# Altium PCB emg_version22ASCII.PcbDoc (continued)
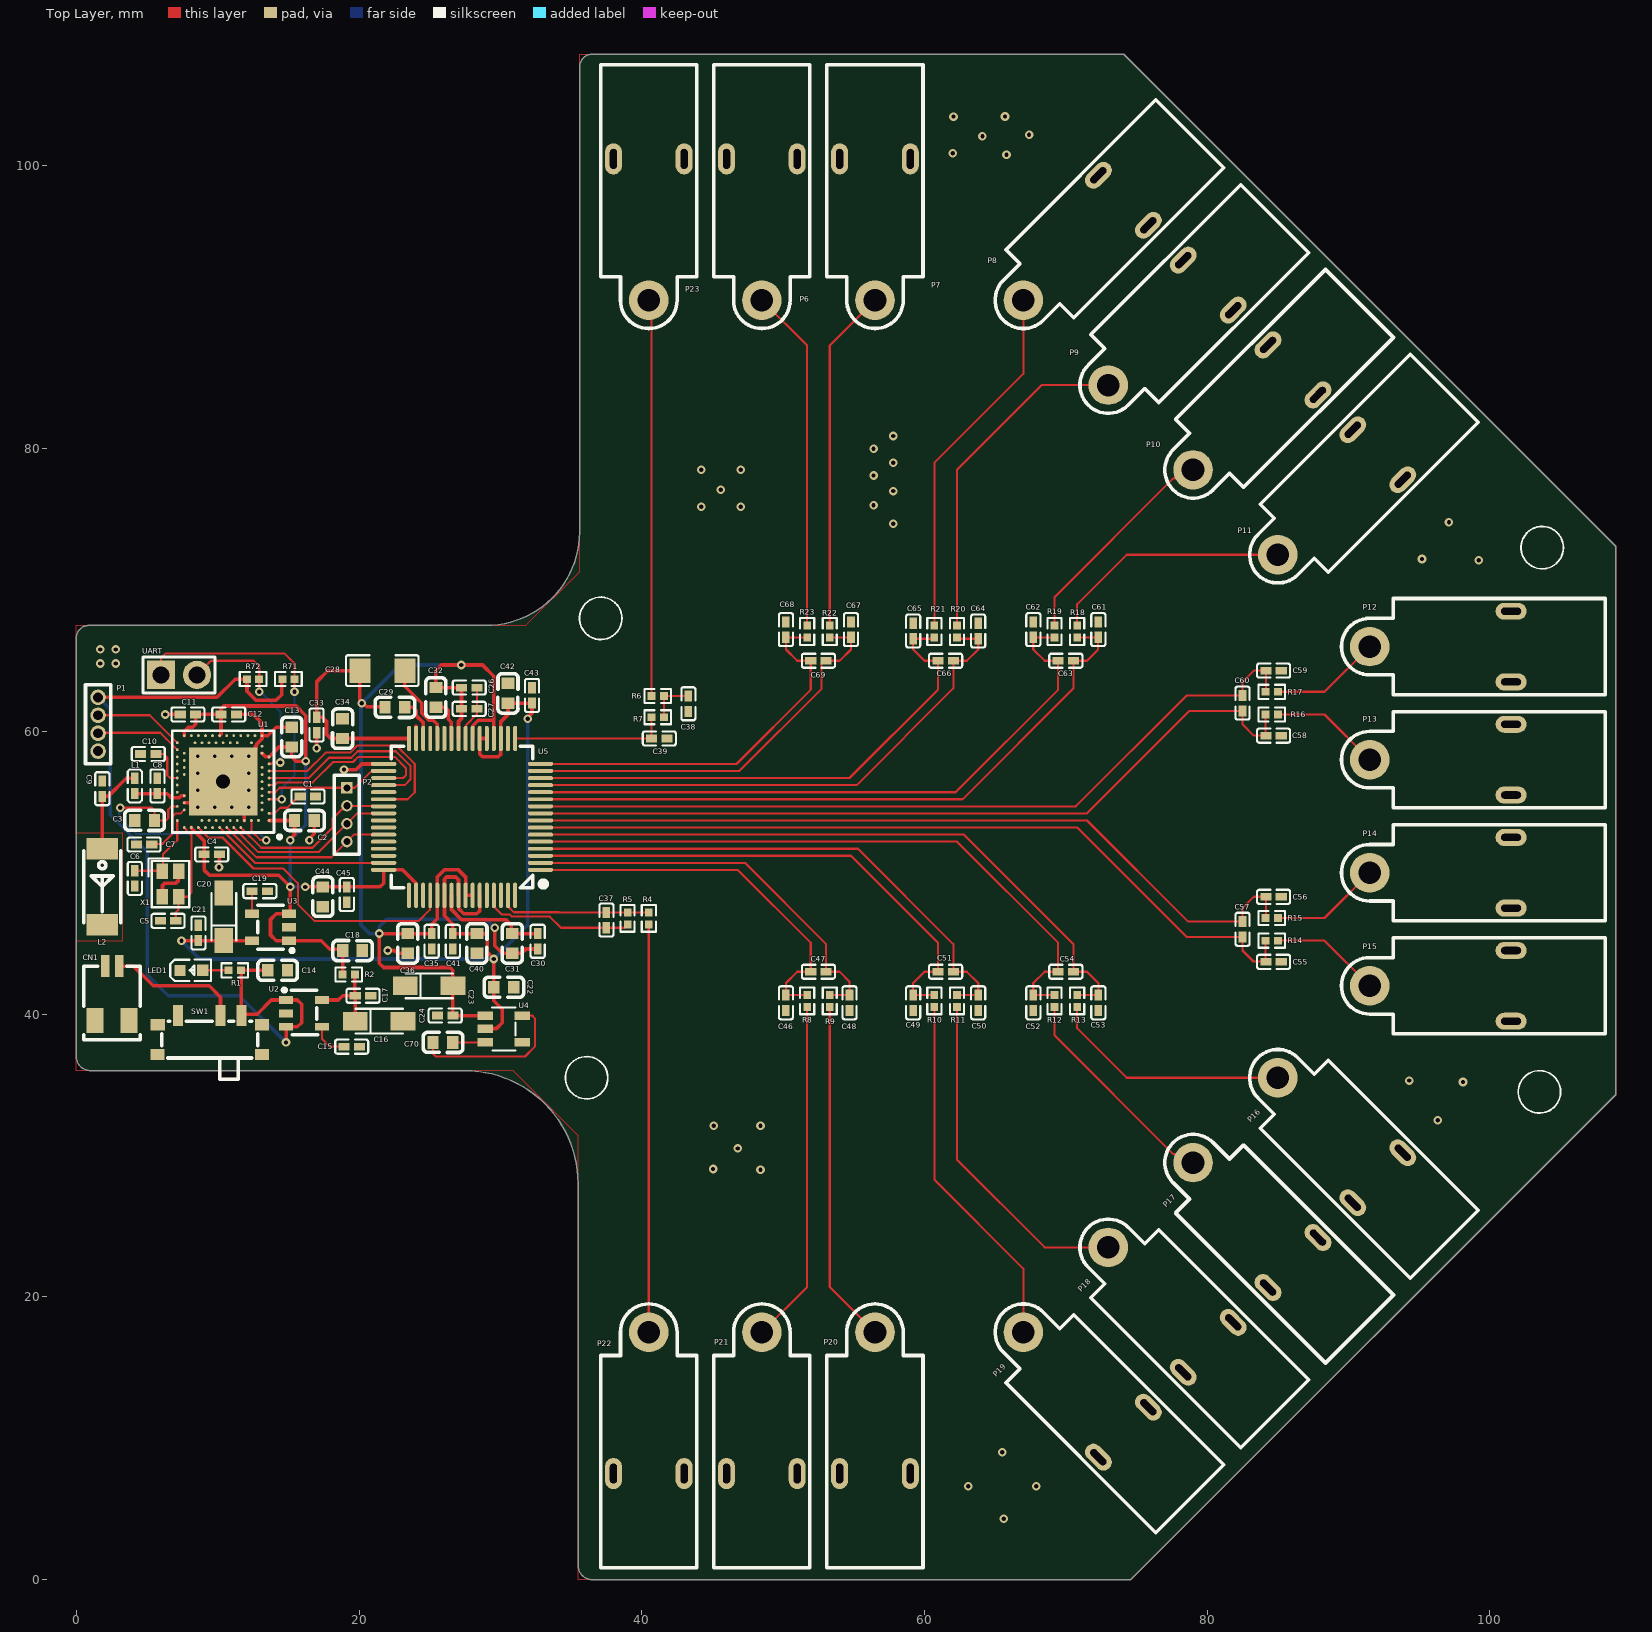
[diagram p0: Top Layer view]
## Components (designator, comment, footprint, x,y, rotation, side; value= is the part's Value field where it differs from the comment) (continued)
C65 "100nF" C0402_100NF 59.2,67.1 r90 top
C66 "100nF" C0402_100NF 61.5,65 r0 top
C67 "100nF" C0402_100NF 54.8,67.2 r90 top
C68 "100nF" C0402_100NF 50.2,67.2 r90 top
C69 "100nF" C0402_100NF 52.5,65 r0 top
C70 "1uF" C0603_1uF 25.94,38 r180 top
CN1 "A1002WR-S-2P" CONN-SMD_A1002WR-S-2P 2.539,41.476 r0 top
L1 "4.7nH" L0402_4.7nH 4.14,56.145 r90 top
L2 "AN2051-245" ANT2051 1.84,49.01 r270 top
LED1 "XL-1608UBC-04" LED0603-RD_BLUE 8.141,43.097 r0 top
P1 "Jlink Debug-pin4" "jlink pin-4 - duplicate - duplicate" -41.005,80.698 r270 top
P2 "SPI_4Pin" SPI_4pin 61.685,33.912 r90 top
P6 "EEG_WireSocket_DIN1.5" holter 43.5,102 r90 top
P7 "EEG_WireSocket_DIN1.5" holter 51.5,102 r90 top
P8 "EEG_WireSocket_DIN1.5" holter 71.596,102.167 r45 top
P9 "EEG_WireSocket_DIN1.5" holter 77.596,96.167 r45 top
P10 "EEG_WireSocket_DIN1.5" holter 83.596,90.167 r45 top
P11 "EEG_WireSocket_DIN1.5" holter 89.596,84.167 r45 top
P12 "EEG_WireSocket_DIN1.5" holter 103,71 r0 top
P13 "EEG_WireSocket_DIN1.5" holter 103,63 r0 top
P14 "EEG_WireSocket_DIN1.5" holter 103,55 r0 top
P15 "EEG_WireSocket_DIN1.5" holter 103,47 r0 top
P16 "EEG_WireSocket_DIN1.5" holter 96.667,30.904 r315 top
P17 "EEG_WireSocket_DIN1.5" holter 90.667,24.904 r315 top
P18 "EEG_WireSocket_DIN1.5" holter 84.667,18.904 r315 top
P19 "EEG_WireSocket_DIN1.5" holter 78.667,12.904 r315 top
P20 "EEG_WireSocket_DIN1.5" holter 61.5,6 r270 top
P21 "EEG_WireSocket_DIN1.5" holter 53.5,6 r270 top
P22 "EEG_WireSocket_DIN1.5" holter 45.5,6 r270 top
P23 "EEG_WireSocket_DIN1.5" holter 35.5,102 r90 top
R1 "1k" R0402_1K 11.207,43.1 r180 top
R2 "0" R0402_0 19.273,42.8 r0 top
R4 "100k" R0402_100k 40.5,46.767 r90 top
R5 "392k" R0402_392k 39,46.767 r270 top
R6 "2k" R0402_2k 41.133,62.5 r0 top
R7 "2k" R0402_2k 41.133,61 r180 top
R8 "2k" R0402_2k 51.7,40.933 r90 top
R9 "2k" R0402_2k 53.3,40.933 r90 top
R10 "2k" R0402_2k 60.7,40.933 r90 top
R11 "2k" R0402_2k 62.3,40.933 r90 top
R12 "2k" R0402_2k 69.2,40.933 r90 top
R13 "2k" R0402_2k 70.8,40.933 r90 top
R14 "2k" R0402_2k 84.567,45.2 r180 top
R15 "2k" R0402_2k 84.567,46.8 r180 top
R16 "2k" R0402_2k 84.567,61.2 r180 top
R17 "2k" R0402_2k 84.567,62.8 r180 top
R18 "2k" R0402_2k 70.8,67.067 r270 top
R19 "2k" R0402_2k 69.2,67.067 r270 top
R20 "2k" R0402_2k 62.3,67.067 r270 top
R21 "2k" R0402_2k 60.7,67.067 r270 top
R22 "2k" R0402_2k 53.3,67.067 r270 top
R23 "2k" R0402_2k 51.7,67.067 r270 top
R71 "1k" R0402_1K 15.007,63.7 r0 top
R72 "1k" R0402_1K 12.507,63.7 r0 top
SW1 "SWITCH" SW-SMD_MSS3-V-T-R 9.45,38.525 r0 top
U1 "NRF52840_QIAA WITH LOGO" "NRF52840_QIAA WITH LOGO" 10.559,56.319 r180 top
U2 "MIC5219-3.3YM5-TR" SOT-23-5_L3.0-W1.7-P0.95-LS2.8-TL 16.111,40.05 r0 top
U3 "MIC5205-2.5YM5-TR" +2.5_SOT-23-5_L3.0-W1.7-P0.95-LS2.8-BR 13.74,46.15 r0 top
U4 "TPS60400DBVT" -2.5_SOT-23-5_L2.9-W1.6-P0.95-LS2.8-TL 30.24,38.95 r0 top
U5 "ADS1299IPAG" TQFP-64_L10.0-W10.0-P0.50-LS12.0-TL 27.29,53.95 r180 top
UART "UART" uart 7.524,61.675 r0 top
X1 "X201632MKB4SI" CRYSTAL-SMD_4P-L2.0-W1.6-BL 6.665,49.2 r270 top

## Footprints (in the part's own frame and the unit in brackets; to place one, negate y for a bottom-side part, rotate by r counter-clockwise, add the part's x,y. Pads: shape width x height; smd on the part's side, far side on the other; paste and mask are expansions set on the pad)
+2.5_SOT-23-5_L3.0-W1.7-P0.95-LS2.8-BR [mm]
  rect 1x0.6 smd: 1(1.3,-0.95) 2(1.3,0) 3(1.3,0.95) 4(-1.3,0.95) 5(-1.3,-0.95)
  silkscreen extent -0.9,-1.78 1.65,1.55
-2.5_SOT-23-5_L2.9-W1.6-P0.95-LS2.8-TL [mm]
  rect 1.1x0.6 smd paste+0 mask+0: 1(-1.3,0.95) 2(-1.3,0) 3(-1.3,-0.95) 4(1.3,-0.95) 5(1.3,0.95)
  silkscreen extent -0.81,-1.51 0.82,1.51
ANT2051 [mm]
  rect 1.5x2.2 smd: 1(-2.69,0) 2(2.69,0)
  silkscreen extent -2.56,-1.3 2.55,1.3
C0402_0.5pF [mm]
  rect 0.79x0.54 smd paste-100 mask+0: 1(-0.545,0) 2(0.545,0)
  silkscreen extent -1.17,-0.5 1.17,0.5
C0402_0.8pF [mm]
  rect 0.79x0.54 smd paste-100 mask+0: 1(-0.545,0) 2(0.545,0)
  silkscreen extent -1.17,-0.5 1.17,0.5
C0402_10nF [mm]
  rect 0.79x0.54 smd paste-100 mask+0: 1(-0.545,0) 2(0.545,0)
  silkscreen extent -1.17,-0.5 1.17,0.5
C0402_10UF [mm]
  rect 0.79x0.54 smd paste-100 mask+0: 1(-0.545,0) 2(0.545,0)
  silkscreen extent -1.17,-0.5 1.17,0.5
C0402_12pF [mm]
  rect 0.79x0.54 smd paste-100 mask+0: 1(-0.545,0) 2(0.545,0)
  silkscreen extent -1.17,-0.5 1.17,0.5
C0402_100NF [mm]
  rect 0.79x0.54 smd paste-100 mask+0: 1(-0.545,0) 2(0.545,0)
  silkscreen extent -1.17,-0.5 1.17,0.5
C0402_100pF [mm]
  rect 0.79x0.54 smd paste-100 mask+0: 1(-0.545,0) 2(0.545,0)
  silkscreen extent -1.17,-0.5 1.17,0.5
C0402_470PF [mm]
  rect 0.79x0.54 smd paste-100 mask+0: 1(-0.545,0) 2(0.545,0)
  silkscreen extent -1.17,-0.5 1.17,0.5
C0402_820pF [mm]
  rect 0.79x0.54 smd paste-100 mask+0: 1(-0.545,0) 2(0.545,0)
  silkscreen extent -1.17,-0.5 1.17,0.5
C0603_1uF [mm]
  rect 0.8x0.9 smd: 1(-0.7,0) 2(0.7,0)
  silkscreen extent -1.41,-0.71 1.39,0.72
C0603_4.7uF [mm]
  rect 0.8x0.9 smd: 1(-0.7,0) 2(0.7,0)
  silkscreen extent -1.41,-0.71 1.39,0.72
C1206_100uF [mm]
  rect 1.485x1.728 smd paste-100 mask+0: 1(-1.593,0) 2(1.593,0)
  silkscreen extent -2.56,-1.09 2.56,1.09
CONN-SMD_A1002WR-S-2P [mm]
  rect 0.6x1.55 smd: 1(-0.498,1.924) 2(0.501,1.924)
  rect 1.2x1.8 smd: 3(1.201,-1.924) 4(-1.201,-1.924)
  silkscreen extent -2,-3.27 2,1.92
CRYSTAL-SMD_4P-L2.0-W1.6-BL [mm]
  rect 1.1x0.8 smd: 1(-0.9,-0.575) 2(0.9,-0.575) 3(0.9,0.575) 4(-0.9,0.575)
  silkscreen extent -1.82,-1.56 1.64,1.33
holter [mm]
  round 2.8 hole 1.6: 1(-11.5,-5)
  oval 2.2x1.2 hole 0.5 slot 1.4 at 0 deg paste+0: 2(-1.5,-2.5) 3(-1.5,-7.5)
  silkscreen extent -13.5,-8.4 5.15,-1.6
"jlink pin-4 - duplicate - duplicate" [mm]
  round 1.1 hole 0.7 mask+0: GND(22.098,42.545) SWDCLK(20.828,42.545) SWDIO(19.558,42.545) VCC(18.288,42.545)
  silkscreen extent 17.4,41.66 22.99,43.43
L0402_4.7nH [mm]
  rect 0.79x0.54 smd paste-100 mask+0: 1(-0.545,0) 2(0.545,0)
  silkscreen extent -1.17,-0.5 1.17,0.5
LED0603-RD_BLUE [mm]
  rect 0.8x0.8 smd: 1(-0.8,-0.004) 2(0.799,0.003)
  silkscreen extent -1.49,-0.75 1.39,0.76
"NRF52840_QIAA WITH LOGO" [mm]
  rect 4.83x4.83 smd paste+0.102 mask+0: 74(0.169,-0.131)
  round 0.2 smd paste+0 mask+0: A8(-1.081,3.119) A10(-0.581,3.119) A12(-0.081,3.119) A14(0.419,3.119) A16(0.919,3.119) A18(1.419,3.119) A20(1.919,3.119) A22(2.419,3.119) A23(2.919,3.119) AA24(3.419,-2.381) AB2(-2.581,-2.631) AC5(-1.831,-2.881) AC9(-0.831,-2.881) AC11(-0.331,-2.881) AC13(0.169,-2.881) AC15(0.669,-2.881) AC17(1.169,-2.881) AC19(1.669,-2.881) AC21(2.169,-2.881) AC24(3.419,-2.881) AD2(-2.581,-3.381) AD4(-2.081,-3.381) AD6(-1.581,-3.381) AD8(-1.081,-3.381) AD10(-0.581,-3.381) AD12(-0.081,-3.381) AD14(0.419,-3.381) AD16(0.919,-3.381) AD18(1.419,-3.381) AD20(1.919,-3.381) AD22(2.419,-3.381) AD23(2.919,-3.381) B1(-3.081,2.619) B3(-2.331,2.619) B5(-1.831,2.619) B7(-1.331,2.619) B9(-0.831,2.619) B11(-0.331,2.619) B13(0.169,2.619) B15(0.669,2.619) B17(1.169,2.619) B19(1.669,2.619) B24(3.419,2.619) C1(-3.081,2.119) D2(-2.581,1.869) D23(2.919,1.869) E24(3.419,1.619) F2(-2.581,1.369) F23(2.919,1.369) G1(-3.081,1.119) H2(-2.581,0.869) H23(2.919,0.869) J1(-3.081,0.619) J24(3.419,0.619) K2(-2.581,0.369) L1(-3.081,0.119) L24(3.419,0.119) M2(-2.581,-0.131) N1(-3.081,-0.381) N24(3.419,-0.381) P2(-2.581,-0.631) P23(2.919,-0.631) R1(-3.081,-0.881) R24(3.419,-0.881) T2(-2.581,-1.131) T23(2.919,-1.131) U1(-3.081,-1.381) U24(3.419,-1.381) V23(2.919,-1.631) W1(-3.081,-1.881) W24(3.419,-1.881) Y2(-2.581,-2.131) Y23(2.919,-2.131)
  silkscreen extent -3.94,-3.73 3.77,3.91
R0402_0 [mm]
  rect 0.566x0.54 smd paste-100 mask+0: 1(-0.433,0) 2(0.433,0)
  silkscreen extent -0.94,-0.5 0.94,0.5
R0402_1K [mm]
  rect 0.566x0.54 smd paste-100 mask+0: 1(-0.433,0) 2(0.433,0)
  silkscreen extent -0.94,-0.5 0.94,0.5
R0402_2k [mm]
  rect 0.566x0.54 smd paste-100 mask+0: 1(-0.433,0) 2(0.433,0)
  silkscreen extent -0.94,-0.5 0.94,0.5
R0402_100k [mm]
  rect 0.566x0.54 smd paste-100 mask+0: 1(-0.433,0) 2(0.433,0)
  silkscreen extent -0.94,-0.5 0.94,0.5
R0402_392k [mm]
  rect 0.566x0.54 smd paste-100 mask+0: 1(-0.433,0) 2(0.433,0)
  silkscreen extent -0.94,-0.5 0.94,0.5
SOT-23-5_L3.0-W1.7-P0.95-LS2.8-TL [mm]
  rect 1x0.55 smd: 1(-1.271,0.95) 2(-1.271,0) 3(-1.271,-0.95) 4(1.271,-0.95) 5(1.271,0.95)
  silkscreen extent -1.52,-1.52 0.97,1.78
SPI_4pin [mm]
  round 0.8 hole 0.5 mask+0: CS(20.828,42.545) MISO(18.288,42.545) SCLK(19.558,42.545)
  rect 0.8x0.8 hole 0.5 mask+0: MOSI(22.098,42.545)
  silkscreen extent 17.4,41.66 22.99,43.43
SW-SMD_MSS3-V-T-R [mm]
  rect 0.7x1.5 smd: 1(-2.25,1.375) 2(0.75,1.375) 3(2.25,1.375)
  rect 1x0.8 smd: EH(-3.7,-1.375) EH(-3.683,0.725) EH(3.683,0.725) EH(3.7,-1.375)
  silkscreen extent -3.4,-3.12 3.4,0.98
tC10uF/16V [mm] "CAP-SMD_L3.2-W1.6-RD-C7171"
  rect 1.758x1.296 smd: 1(-1.686,0) 2(1.686,0)
  silkscreen extent -1.68,-0.88 1.68,0.88
TQFP-64_L10.0-W10.0-P0.50-LS12.0-TL [mm]
  oval 1.8x0.28 smd paste-100 mask+0: 1(-5.55,3.75) 2(-5.55,3.25) 3(-5.55,2.75) 4(-5.55,2.25) 5(-5.55,1.75) 6(-5.55,1.25) 7(-5.55,0.75) 8(-5.55,0.25) 9(-5.55,-0.25) 10(-5.55,-0.75) 11(-5.55,-1.25) 12(-5.55,-1.75) 13(-5.55,-2.25) 14(-5.55,-2.75) 15(-5.55,-3.25) 16(-5.55,-3.75) 33(5.55,-3.75) 34(5.55,-3.25) 35(5.55,-2.75) 36(5.55,-2.25) 37(5.55,-1.75) 38(5.55,-1.25) 39(5.55,-0.75) 40(5.55,-0.25) 41(5.55,0.25) 42(5.55,0.75) 43(5.55,1.25) 44(5.55,1.75) 45(5.55,2.25) 46(5.55,2.75) 47(5.55,3.25) 48(5.55,3.75)
  oval 0.28x1.8 smd paste-100 mask+0: 17(-3.75,-5.55) 18(-3.25,-5.55) 19(-2.75,-5.55) 20(-2.25,-5.55) 21(-1.75,-5.55) 22(-1.25,-5.55) 23(-0.75,-5.55) 24(-0.25,-5.55) 25(0.25,-5.55) 26(0.75,-5.55) 27(1.25,-5.55) 28(1.75,-5.55) 29(2.25,-5.55) 30(2.75,-5.55) 31(3.25,-5.55) 32(3.75,-5.55) 49(3.75,5.55) 50(3.25,5.55) 51(2.75,5.55) 52(2.25,5.55) 53(1.75,5.55) 54(1.25,5.55) 55(0.75,5.55) 56(0.25,5.55) 57(-0.25,5.55) 58(-0.75,5.55) 59(-1.25,5.55) 60(-1.75,5.55) 61(-2.25,5.55) 62(-2.75,5.55) 63(-3.25,5.55) 64(-3.75,5.55)
  silkscreen extent -5.95,-5 5,5
uart [mm]
  rect 2x2 hole 1.2: RXD(-1.524,2.325)
  round 2 hole 1.2: TXD(1.016,2.325)
  silkscreen extent -2.79,1.05 2.29,3.59
? [mm]
  rect 0.79x0.54 smd paste-100 mask+0: 1(-0.545,0) "  "(0.545,0)
  silkscreen extent -1.17,-0.5 1.17,0.5

## Part data
C1 C4 C11 C12 C17 C21 C24 C26 C30 C33 C35 C38 C39 C41 C43 C45 C46 C47 C48 C49 C50 C51 C52 C53 C54 C55 C56 C57 C58 C59 C60 C61 C62 C63 C64 C65 C66 C67 C68 C69: library part C0402_100nF, "CL05B104KO5NNNC"
C2: library part CL05A105KA5NQNC
C3: library part C0603_1uF, "0603B105K250NT"
C5 C6: library part C0402_12pF, "CC0402GRNPO9BN120"
C7: library part C0402_100pF, "CC0402JRNPO9BN101"
C8: library part C0402_0.8p, "RF15N0R8A500"
C9: library part C0402_0.5pF, "0402N0R5A500CT"
C10: library part C0402_820pF, "0402N821J500CT"
C13: library part C0402_4.7uF
C14 C18 C22 C29 C31 C32 C34 C36 C40 C42 C44 C70: library part C0402_1uF
C15 C19: library part C0402_470pF, "CC0402JRNPO7BN471"
C16 C20 C23: library part tC16uF/16V, "TAJA106K016RNJ"
C27: library part C0402_10uF, "CL05A106MP5NUNC"
C28: library part C1206_100uF, "GRM31CR60J107KE39L"
C37: library part C0402_10nF, "CC0402KRX7R5BB103"
L1: library part L0402_4.7nH, "FHW0402UC4N7JST"
LED1: library part LED
P1: library part Jlink-pin4
P6 P7 P8 P9 P10 P11 P12 P13 P14 P15 P16 P17 P18 P19 P20 P21 P22 P23: library part Holter_EEG_WireSocket_DIN1.5
R1 R71 R72: library part R0402_1k, "TC0225F1001TCE"
R2: library part R0402_0, "0402WGF0000TCE"
R4: library part R0402_100k, "RC0402FR-07100KL"
R5: library part R0402_392k, "RTT023923FTH"
R6 R7 R8 R9 R10 R11 R12 R13 R14 R15 R16 R17 R18 R19 R20 R21 R22 R23: library part R0402_2k, "0402WGF2001TCE"
SW1: library part MSS3-V-T/R, "MSS3-V-T/R"
U5: "Integrated Circuit"
UART: library part uart

## Via types
v1: diameter 0.61, hole 0.305, Top Layer to Bottom Layer, tented both sides, 61 vias
v2: diameter 0.5, hole 0.25, Top Layer to Bottom Layer, tented both sides, 12 vias
v3: diameter 2, hole 1, Top Layer to Bottom Layer, tented both sides, 1 vias

## Nets (pads, with @x,y where several pads share a name; then routed paths per layer and width w, separated by ;. In a path a pad name is that pad's centre, name@x,y a point inside that pad or via, vN(x,y) a via of type N, cw(c..) or ccw(c..) an arc to the next point about the centre after c; other vN are vias at no path point)
1N1N: C67.1 C69.2 R22.2 U5.15 | length 28.9
  Top Layer w0.152: U5.15 46.9,57.2 52.726,63.026 52.726,64.806 52.92,65 C69.2 54,65 54.8,65.8 C67.1 54.779,66.634 R22.2
1N1P: C68.1 C69.1 R23.2 U5.16 | length 27.8
  Top Layer w0.152: U5.16 46.7,57.7 51.955,62.955 C69.1 51.83,65 51,65 50.2,65.8 C68.1 50.221,66.634 R23.2
1N2N: C64.1 C66.2 R20.2 U5.13 | length 38.3
  Top Layer w0.152: U5.13 55.2,56.2 62.045,63.045 C66.2 63,65 63.8,65.8 C64.1 62.312,66.555 R20.2@62.3,66.567
1N2P: C65.1 C66.1 R21.2 U5.14 | length 37.1
  Top Layer w0.152: U5.14 54.7,56.7 60.955,62.955 C66.1 60.83,65 60,65 59.2,65.8 C65.1 60.688,66.555 R21.2@60.7,66.567
1N3N: C61.1 C63.2 R18.2 U5.11 | length 47.3
  Top Layer w0.152: U5.11 62.7,55.2 70.545,63.045 C63.2 71.5,65 72.279,65.779 72.279,66.634 R18.2
1N3P: C62.1 C63.1 R19.2 U5.12 | length 46.1
  Top Layer w0.152: U5.12 62.2,55.7 69.455,62.955 C63.1 69.33,65 68.5,65 67.7,65.8 C62.1 67.721,66.634 R19.2
1N4N: C58.1 C60.2 R16.2 U5.9 | length 57.1
  Top Layer w0.152: U5.9 71.5,54.2 78.755,61.455 C60.2 82.5,60.5 83.3,59.7 C58.1 84.134,59.721 R16.2
1N4P: C59.1 C60.1 R17.2 U5.10 | length 57.4
  Top Layer w0.152: U5.10 70.7,54.7 78.545,62.545 C60.1 82.5,63.5 83.3,64.3 C59.1 84.155,62.821 R17.2
1N5N: C55.1 C57.2 R14.2 U5.7 | length 57.3
  Top Layer w0.152: U5.7 70.8,53.2 78.545,45.455 C57.2 82.5,44.5 83.279,43.721 84.134,43.721 R14.2
1N5P: C56.1 C57.1 R15.2 U5.8 | length 57.1
  Top Layer w0.152: U5.8 71.5,53.7 78.655,46.545 C57.1 82.5,47.5 83.3,48.3 C56.1 84.155,46.821 R15.2
1N6N: C52.1 C54.2 R12.2 U5.5 | length 46.1
  Top Layer w0.152: U5.5 62.3,52.2 69.455,45.045 C54.2 68.5,43 67.7,42.2 C52.1 67.721,41.366 R12.2
1N6P: C53.1 C54.1 R13.2 U5.6 | length 47.3
  Top Layer w0.152: U5.6 62.8,52.7 70.545,44.955 C54.1 71.5,43 72.3,42.2 C53.1 72.279,41.366 R13.2
1N7N: C49.1 C51.2 R10.2 U5.3 | length 37.2
  Top Layer w0.152: U5.3 54.8,51.2 60.955,45.045 C51.2 60,43 59.2,42.2 C49.1 60.679,41.345 R10.2
1N7P: C50.1 C51.1 R11.2 U5.4 | length 38.4
  Top Layer w0.152: U5.4 55.3,51.7 62.045,44.955 C51.1 63,43 63.8,42.2 C50.1 62.321,41.345 R11.2
1N8N: C46.1 C47.2 R8.2 U5.1 | length 27.7
  Top Layer w0.152: U5.1 46.8,50.2 51.955,45.045 C47.2 51,43 50.2,42.2 C46.1 51.679,41.345 R8.2
1N8P: C47.1 C48.1 R9.2 U5.2 | length 28.8
  Top Layer w0.152: U5.2 47.3,50.7 53.045,44.955 C47.1 54,43 54.7,42.3 C48.1 54.679,41.366 R9.2
2.5V_AVDD: C20.1 C21.2 C22.2 C40.1 C41.1 C42.1 C43.1 U3.5 U4.2 U5.19 U5.21 U5.22 U5.54 U5.56 U5.59 | length 76.2
  Top Layer w0.254: v1(7.44,45.2) C20.1 U3.5 ; U5.59 28.535,48.395 28.535,47.295 28.34,47.1 27.415,47.1 27.045,47.47 27.045,48.395 U5.56 27.04,49.5 26.84,49.7 26.194,49.7 26.045,49.551 26.045,48.405 U5.54 26.045,48.395 26.045,46.955 26.64,46.36 C41.1 C40.1 28.9,45.7 29.069,45.531 29.069,44.399 29.54,43.929 v1(29.54,43.9) C22.2 29.54,40.938 30.14,40.338 30.14,39.4 29.722,38.982 28.972,38.982 U4.2 ; U5.21 U5.22 28.545,59.495 28.545,58.395 28.74,58.2 29.84,58.2 30.04,58.4 U5.19 30.04,60.7 30.54,61.2 C42.1 C43.1 32.24,61.296 31.94,60.996 v1(31.94,60.9)
  Bottom Layer w0.254: v1(7.44,45.2) 8.74,43.9 v1(29.54,43.9) 31.94,46.3 v1(31.94,60.9)
3.3V_A: C16.1 C17.2 R2.2 U2.5 | length 5.8
  Top Layer w0.254: U2.5 18.54,41 18.84,41.3 C17.2 ; R2.2 19.706,41.334 C17.2 ; C16.1 C17.2
3.3V_D: "C4.  " C2.2 C11.2 C12.2 C13.2 C18.2 C44.1 C45.1 R2.1 U1.A22 U1.AD14 U1.AD23 U1.B1 U1.W1 U1.Y2 U3.1 U3.3 U5.48 U5.50 | length 65.3
  Top Layer w0.254: U1.AD23 7.64,60 7.94,60.3 8.24,60.3 8.44,60.5 C11.2 C12.2 ; U1.A22 8.14,53.163 9.04,52.264 9.04,51.3 9.04,50.2 9.424,49.816 14.324,49.816 v1(15.14,49) 15.14,47.2 U3.3 14.14,47.1 13.74,46.7 13.74,45.6 14.14,45.2 U3.1 17.34,45.2 17.94,44.6 18.74,44.6 C18.2 R2.1 ; U1.AD14 10.24,59.8 C12.2 ; U1.Y2 13.39,58.2 U1.W1 14.34,58.9 C13.2 15.24,58.2 15.54,57.9 v1(16.24,57.9) 16.24,61.1 15.54,61.8 10.44,61.8 10.24,61.6 C12.2 ; U1.B1 C2.2 15.44,52.696 15.14,52.396 v1(15.14,52.3) ; v1(16.207,49) C44.1 C45.1 21.481,49 21.74,49.26 21.74,50.188 21.728,50.2 U5.48 23.093,50.2 24.035,49.258 24.035,48.405 U5.50
  Bottom Layer w0.254: v1(16.207,49) v1(15.14,49) v1(15.14,52.3) 16.24,53.4 v1(16.24,57.9)
-2.5V_AVSS: C23.2 C24.2 C26.2 C27.2 C28.2 C29.2 C30.2 C31.2 C32.2 C33.1 C34.1 C35.1 C36.1 U4.1 U5.20 U5.23 U5.25 U5.32 U5.53 U5.57 U5.58 | length 100.3
  Top Layer w0.254: C29.2 21.8,61.74 20.556,61.74 20.296,62 v1(20.2,62) 20.2,62.096 20.055,62.241 C28.2 17.8,64.3 17,63.5 C33.1 17.4,61 17.7,60.7 17.7,59.8 18,59.5 C34.1 U5.32 U5.32@23.545,59.495 ; U5.25 27.04,60.7 27.25,60.91 C27.2 C26.2 C32.2 25.44,64.3 25.84,64.7 v1(27.24,64.7) 28.74,64.7 29.54,63.9 29.54,60.8 ; U5.58 U5.57 27.54,49.7 27.04,50.2 26.04,50.2 25.54,49.7 U5.53 25.54,46.74 25.14,46.34 C35.1 C36.1 v1(21.44,45.7) 21.44,43.6 21.74,43.3 26.44,43.3 26.64,43.1 C24.2 U4.1 ; U5.23 28.045,59.505 28.045,60.405 28.44,60.8 29.54,60.8 ; U5.20 29.54,60.8 ; v1(29.6,46.1) 29.6,44.84 30.14,44.3 C31.2 31.5,44.3 31.81,44.61 C30.2
  Bottom Layer w0.254: v1(27.24,64.7) 22.9,64.7 20.14,61.94 20.14,46.3 20.74,45.7 v1(21.44,45.7) 21.44,46.2 21.94,46.7 29,46.7 v1(29.6,46.1)
BIAS: P22.1 R4.1 | length 28.9
  Top Layer w0.152: P22.1 R4.1 R4.1@40.534,46.3
BIASINV: C37.2 R5.2 U5.61 | length 11
  Top Layer w0.152: U5.61 29.54,47.619 30.119,47.04 30.688,47.04 30.828,46.9 33.5,46.9 34.29,46.11 C37.2 38.788,46.11 39,46.322 R5.2
BIASOUT: C37.1 R4.2 R5.1 U5.63 | length 10.9
  Top Layer w0.152: U5.63 30.54,47.619 30.954,47.205 34.128,47.205 34.133,47.2 R5.1 R4.2
CLKSEL: U1.A20 U5.52 | length 21.3
  Top Layer w0.152: U1.A20 9.34,52.5 10.34,52.5 12.54,50.3 14.64,50.3 15.673,49.267 15.673,47.767 16.84,46.6 24.243,46.6 25.016,47.373 25.016,48.376 U5.52
CS: P2.CS U1.A8 U5.39 | length 12.3
  Top Layer w0.152: U1.A8 13.074,51.767 16.707,51.767 18.14,53.2 18.14,53.84 19.04,54.74 P2.CS 19.16,54.72 21.72,54.72 U5.39
DEC1: C1.2 U1.C1 | length 2.7
  Top Layer w0.152: U1.C1 14.04,54.2 14.44,54.6 14.915,54.6 15.715,55.4 C1.2
DEC3: C7.1 U1.D23 | length 4
  Top Layer w0.152: C7.1 5.377,52.037 6.077,52.037 6.812,52.772 6.812,53.982 7.029,54.2 7.39,54.2 U1.D23
DEC4_6: C3.2 U1.B5 U1.E24 | length 19.4
  Top Layer w0.152: v1(3.1,54.6) 5.34,54.6 5.54,54.4 C3.2 6.34,53.7 6.507,53.867 6.507,54.467 6.64,54.6 6.64,54.611 6.729,54.7 U1.E24 ; U1.B5 12.39,52.95 13.015,52.325 13.415,52.325 v1(13.44,52.3)
  Bottom Layer w0.152: v1(3.1,54.6) 3.04,54.54 3.04,53.963 4.259,52.744 12.996,52.744 v1(13.44,52.3)
DRDY: U1.A14 U5.47 | length 12.6
  Top Layer w0.152: U1.A14 12.64,50.7 U5.47
EMG1N: P7.1 R22.1 | length 24.3
  Top Layer w0.152: R22.1 53.3,87.3 P7.1
EMG1P: P6.1 R23.1 | length 24.3
  Top Layer w0.152: P6.1 51.7,87.3 R23.1
EMG2N: P9.1 R20.1 | length 24.2
  Top Layer w0.152: R20.1 62.3,78.5 68.3,84.5 P9.1
EMG2P: P8.1 R21.1 | length 25.6
  Top Layer w0.152: R21.1 60.7,79 67,85.3 P8.1
EMG3N: P11.1 R18.1 | length 17.1
  Top Layer w0.152: R18.1 70.8,69 74.3,72.5 P11.1
EMG3P: P10.1 R19.1 | length 15.5
  Top Layer w0.152: R19.1 69.2,69.5 77.601,77.901 77.684,77.901 78.284,78.5 P10.1
EMG4N: P13.1 R16.1 | length 7.8
  Top Layer w0.152: R16.1 88.3,61.2 P13.1
EMG4P: P12.1 R17.1 | length 7.8
  Top Layer w0.152: R17.1 88.3,62.8 P12.1
EMG5N: P15.1 R14.1 | length 7.8
  Top Layer w0.152: R14.1 88.3,45.2 P15.1
EMG5P: P14.1 R15.1 | length 7.8
  Top Layer w0.152: R15.1 88.3,46.8 P14.1
EMG6N: P17.1 R12.1 | length 15.5
  Top Layer w0.152: R12.1 69.2,38.5 77.601,30.099 77.684,30.099 78.284,29.5 P17.1
EMG6P: P16.1 R13.1 | length 17.1
  Top Layer w0.152: R13.1 70.8,39 74.3,35.5 P16.1
EMG7N: P19.1 R10.1 | length 25.6
  Top Layer w0.152: R10.1 60.7,28.3 67,22 P19.1
EMG7P: P18.1 R11.1 | length 24.1
  Top Layer w0.152: R11.1 62.3,29.7 68.5,23.5 P18.1
EMG8N: P21.1 R8.1 | length 24.3
  Top Layer w0.152: P21.1 51.7,20.7 R8.1
EMG8P: P20.1 R9.1 | length 24.3
  Top Layer w0.152: R9.1 53.3,20.7 P20.1
GND: C1.1 C2.1 C3.1 C4.1 C5.2 C6.2 C7.2 C8.2 C9.2 C10.1 C11.1 C12.1 C13.1 C14.1 C15.1 C16.2 C17.1 C18.1 C19.1 C20.2 C21.1 C22.1 C23.1 C24.1 C33.2 C34.2 C35.2 C36.2 C38.1 C39.1 C40.2 C41.2 C42.2 C43.2 C44.2 C45.2 C46.2 C48.2 C49.2 C50.2 C52.2 C53.2 C55.2 C56.2 C58.2 C59.2 C61.2 C62.2 C64.2 C65.2 C67.2 C68.2 CN1.1 LED1.1 P1.GND P6.2 P6.3 P7.2 P7.3 P8.2 P8.3 P9.2 P9.3 P10.2 P10.3 P11.2 P11.3 P12.2 P12.3 P13.2 P13.3 P14.2 P14.3 P15.2 P15.3 P16.2 P16.3 P17.2 P17.3 P18.2 P18.3 P19.2 P19.3 P20.2 P20.3 P21.2 P21.3 P22.2 P22.3 P23.2 P23.3 U1.74 U1.AD2 U1.B7 U1.F23 U2.2 U3.2 U4.4 U5.31 U5.33 U5.49 U5.51 U5.64 X1.2 X1.4 | length 23.6
  Top Layer w0.254: C6.2 C6.2@4.2,48.995 ; C10.1@4.54,58.39 C10.1 ; C10.1@4.64,58.39 C10.1@4.65,58.4 ; C5.2@5.94,46.61 C5.2 ; X1.2 6.1,48.31 6.1,49.1 6.27,49.27 7.051,49.27 7.2,49.419 7.2,50.06 X1.4 ; v1(6.3,61.2) C11.1 ; U1.F23 8.102,54.95 8.59,55.438 v2(8.59,55.85) ; v1(10.1,50.4) 10.1,51.27 C4.1 ; C20.2 C20.2@10.44,48.803 ; C12.1 12.54,61.2 13.14,60.6 U1.AD2 ; U1.B7 11.89,54.35 v2(12.19,54.65) ; v2(12.19,58.25) 12.678,58.738 12.678,58.952 12.761,59.034 12.761,59.107 13.14,59.487 U1.AD2 ; C19.1@13.43,48.6 C19.1@13.44,48.61 ; C13.1 14.14,60.3 13.54,59.7 U1.AD2 ; v1(16.493,52.307) 16.493,52.403 16.84,52.751 C2.1 ; v1(17,58.8) C33.2 ; v1@19.008,57.368 v1(18.94,57.3) 19.805,57.3 20.2,57.695 21.735,57.695 U5.33 ; C45.2@19.05,48 C45.2 ; C17.1@20.83,41.2 C17.1@20.84,41.21 ; v1(22.024,44.5) 22.5,44.5 22.7,44.3 C36.2 ; C16.2 C16.2@23.14,39.527 ; U5.31@24.035,60.358 24.035,59.505 U5.31 ; U5.51@24.535,48.395 U5.51
  Bottom Layer w0.254: v3@9.918,56.45 v3(10.39,56.45)
  other v1: 65.6,4.3 63.1,6.6 67.9,6.6 65.5,9 48.4,29 45.046,29.041 46.8,30.5 45.1,32.1 48.4,32.1 96.3,32.5 98.1,35.2 94.3,35.3 1.7,64.8 2.8,64.8 1.7,65.8 2.8,65.8 99.2,72.1 95.2,72.2 57.8,74.7 97.1,74.8 44.2,75.9 47,75.9 56.4,76 57.8,77 45.6,77.1 56.4,78.1 44.2,78.5 47,78.5 57.8,79 56.4,80 57.8,80.9 65.8,100.8 62,100.9 64.1,102.1 67.4,102.2 62.058,103.493 65.7,103.5
  other v2: 8.59,54.65 9.79,54.65 10.99,54.65 12.19,55.85 8.59,57.05 12.19,57.05 8.59,58.25 9.79,58.25 10.99,58.25
MISO: P2.MISO U1.A12 U5.43 | length 12.6
  Top Layer w0.152: U1.A12 12.74,51.1 18.04,51.1 P2.MISO 19.64,52.7 U5.43
MOSI: P2.MOSI U1.J1 U5.34 | length 8.7
  Top Layer w0.152: U1.J1 14.086,55.7 14.396,56.01 19.71,56.01 20.876,57.176 21.716,57.176 U5.34
NetC8_1: C8.1 L1.1 U1.H23 | length 3.7
  Top Layer w0.254: L1.1 C8.1 6.44,55.6 6.514,55.526 6.573,55.467 6.573,55.455 6.707,55.321 7.297,55.321 7.427,55.45 U1.H23
NetC10_2: C10.2 U1.N24 | length 2.9
  Top Layer w0.152: C10.2 6.19,58.4 6.44,58.15 6.44,56.9 6.64,56.7 U1.N24
NetC15_2: C15.2 U2.4 | length 2.6
  Top Layer w0.152: U2.4 17.383,38.257 17.94,37.7 C15.2
NetC19_2: C19.2 U3.4 | length 1.6
  Top Layer w0.152: U3.4 C19.2
NetC26_1: C26.1 C27.1 U5.24 | length 3.9
  Top Layer w0.152: U5.24 27.564,59.524 27.564,60.427 28.34,61.203 C27.1 C26.1
NetC38_2: C38.2 R6.2 R7.1 | length 3.2
  Top Layer w0.152: R7.1 R6.2 C38.2
NetC70_1: C70.1 U4.3 | length 2.3
  Top Layer w0.152: C70.1 U4.3
NetC70_2: C70.2 U4.5 | length 11.4
  Top Layer w0.152: C70.2 25.24,37.2 25.44,37 31.74,37 32.44,37.7 32.44,39.7 32.24,39.9 U4.5 ; C70.2@25.24,38.35 C70.2@25.24,38.4
NetCN1_2: CN1.2 SW1.2 | length 9.4
  Top Layer w0.254: CN1.2 4.04,43.4 5.44,42 9.4,42 10.2,41.2 SW1.2
NetLED1_2: LED1.2 R1.2 | length 1.8
  Top Layer w0.152: LED1.2 R1.2
PWDN: U1.L1 U5.35 | length 13
  Top Layer w0.152: U1.L1 14.04,56.2 14.235,56.395 16.735,56.395 18.173,57.833 19.573,57.833 19.94,58.2 22.521,58.2 23.33,57.391 23.33,56.891 23.14,56.7 U5.35
REF: P23.1 R6.1 | length 28.1
  Top Layer w0.152: P23.1 40.7,90.3 R6.1
RESET: U1.N1 U5.36 | length 14.2
  Top Layer w0.152: U1.N1 16.44,56.7 17.878,58.138 19.447,58.138 19.909,58.6 22.606,58.6 23.635,57.571 23.635,56.595 23.24,56.2 U5.36
RF: C9.1 L1.2 L2.1 | length 6.6
  Top Layer w0.254: L2.1 C9.1 2.24,55.4 3.53,56.69 L1.2 L1.2@4.14,56.641
RXD: R71.2 U1.G1 UART.RXD | length 21.9
  Top Layer w0.152: UART.RXD 6,65.2 6.3,65.5 14.74,65.5 15.14,65.1 15.44,64.8 R71.2 v1(15.44,62.8) ; U1.G1 v1(14.54,55.2)
  Bottom Layer w0.152: v1(14.54,55.2) 14.54,56 15.44,56.9 v1(15.44,62.8)
SCLK: P2.SCLK U1.A10 U5.40 | length 12.5
  Top Layer w0.152: U1.A10 12.878,51.462 17.132,51.462 P2.SCLK 19.87,54.2 U5.40
SRB1: C39.2 R7.2 U5.17 | length 11.2
  Top Layer w0.152: U5.17 C39.2 R7.2
START: U1.R1 U5.38 | length 16
  Top Layer w0.152: U1.R1 16.34,57.2 17.64,58.5 19.378,58.5 19.878,59 22.637,59 23.793,57.844 23.796,57.844 23.94,57.7 23.94,55.7 23.44,55.2 U5.38
SWDCLK: P1.SWDCLK U1.AA24 | length 6.1
  Top Layer w0.152: P1.SWDCLK 1.57,59.9 5.94,59.9 6.37,59.47 U1.AA24
SWDIO: P1.SWDIO U1.AC24 | length 6.4
  Top Layer w0.152: P1.SWDIO 5.2,61.14 U1.AC24
TXD: R72.2 U1.U1 UART.TXD | length 13.3
  Top Layer w0.152: UART.TXD 9.535,64.995 12.545,64.995 12.94,64.6 R72.2 v1(12.94,62.8) ; U1.U1 13.649,57.709 13.816,57.709 13.907,57.8 v1(14.44,57.8)
  Bottom Layer w0.152: v1(12.94,62.8) 13.029,62.8 14.44,61.389 v1(14.44,57.8)
VCAP1: C28.1 U5.28 | length 5.9
  Top Layer w0.254: C28.1 23.24,63.2 24.44,62 24.44,61.3 24.94,60.8 25.24,60.8 25.54,60.5 U5.28
VCAP2: C29.1 U5.30 | length 3.2
  Top Layer w0.254: C29.1 23.24,61.608 23.332,61.7 23.791,61.7 24.034,61.458 24.034,61.132 24.535,60.631 24.535,59.505 U5.30
VCAP3: C30.1 C31.1 U5.55 | length 8.1
  Top Layer w0.254: U5.55 26.545,48.395 26.545,47.395 27.256,46.684 30.416,46.684 30.768,46.332 30.768,45.772 C31.1 C30.1
VCAP4: C32.1 U5.26 | length 3.1
  Top Layer w0.254: C32.1@25.49,61.7 C32.1 26.1,61.7 26.3,61.5 26.3,60.89 26.535,60.655 26.535,59.505 U5.26
VCC: C14.2 P1.VCC R1.1 R71.1 R72.1 SW1.3 U2.1 U2.3 | length 62.4
  Top Layer w0.254: P1.VCC 9.95,62.41 11.24,63.7 R72.1 12.074,62.839 12.698,62.216 14.156,62.216 14.54,62.6 14.54,63.666 R71.1 ; C14.2 R1.1 11.67,43.07 11.67,39.93 SW1.3 11.8,40 12.8,40 13.8,41 U2.1 15.64,41 15.94,40.7 15.94,39.4 15.64,39.1 U2.3 v1(14.84,38)
  Bottom Layer w0.254: P1.VCC 1.553,62.41 2.4,61.563 2.4,54.1 5.023,51.477 5.023,42.777 6.5,41.3 11.54,41.3 v1(14.84,38)
XC1: C6.1 U1.B24 X1.1 | length 6
  Top Layer w0.152: C6.1 6.045,50.145 X1.1 6.14,50.15 6.14,51.3 7.14,52.3 U1.B24
XC2: C5.1 U1.A23 X1.3 | length 7.6
  Top Layer w0.152: C5.1 7.04,47.2 7.24,47.4 X1.3 7.84,48.3 8.14,48.6 8.14,52.661 7.785,53.016 7.785,53.056 U1.A23
pads on no net: CN1.3 CN1.4 L2.2 SW1.1 SW1.EH U1.A16 U1.A18 U1.AB2 U1.AC5 U1.AC9 U1.AC11 U1.AC13 U1.AC15 U1.AC17 U1.AC19 U1.AC21 U1.AD4 U1.AD6 U1.AD8 U1.AD10 U1.AD12 U1.AD16 U1.AD18 U1.AD20 U1.AD22 U1.B3 U1.B9 U1.B11 U1.B13 U1.B15 U1.B17 U1.B19 U1.D2 U1.F2 U1.H2 U1.J24 U1.K2 U1.L24 U1.M2 U1.P2 U1.P23 U1.R24 U1.T2 U1.T23 U1.U24 U1.V23 U1.W24 U1.Y23 U5.18 U5.27 U5.29 U5.37 U5.41 U5.42 U5.44 U5.45 U5.46 U5.60 U5.62

## Polygon pours and split planes (outlines as drawn)
GND on Bottom Layer "GND_L02_P005" (solid, remove dead copper, pour order 5): 0,67.5 31.8,67.5 35.6,71.3 35.6,107.9 74.1,107.9 108.9,73.1 108.9,34.3 74.6,0 35.5,0 35.5,31.4 30.9,36 0,36 0,45.2 3.3,45.2 3.3,52.8 0,52.8
GND on Top Layer "GND_L01_P006" (solid, remove dead copper, pour order 6): 0,67.5 31.8,67.5 35.6,71.3 35.6,107.9 74.1,107.9 108.9,73.1 108.9,34.3 74.6,0 35.5,0 35.5,31.4 30.9,36 0,36 0,45.2 3.3,45.2 3.3,52.8 0,52.8

## Silkscreen, mask and mechanical layers (free items; w line width, h text height)
Top Overlay:
  circle w0.127: c103.5,34.5 r1.5
  circle w0.127: c103.7,73 r1.5
  circle w0.127: c37.1,68 r1.5
  circle w0.127: c36.1,35.5 r1.5
Mechanical 1:
  circle w0.127: c103.5,34.5 r1.3
  circle w0.127: c103.7,73 r1.3
  circle w0.127: c37.1,68 r1.3
  circle w0.127: c36.1,35.5 r1.3

## Text inside footprints (layer, text, board x,y; h text height)
P15: Mechanical 1 "100nF" at 14.837,53.088 h1.52